# KiCad board sl_v4.kicad_pcb (continued)
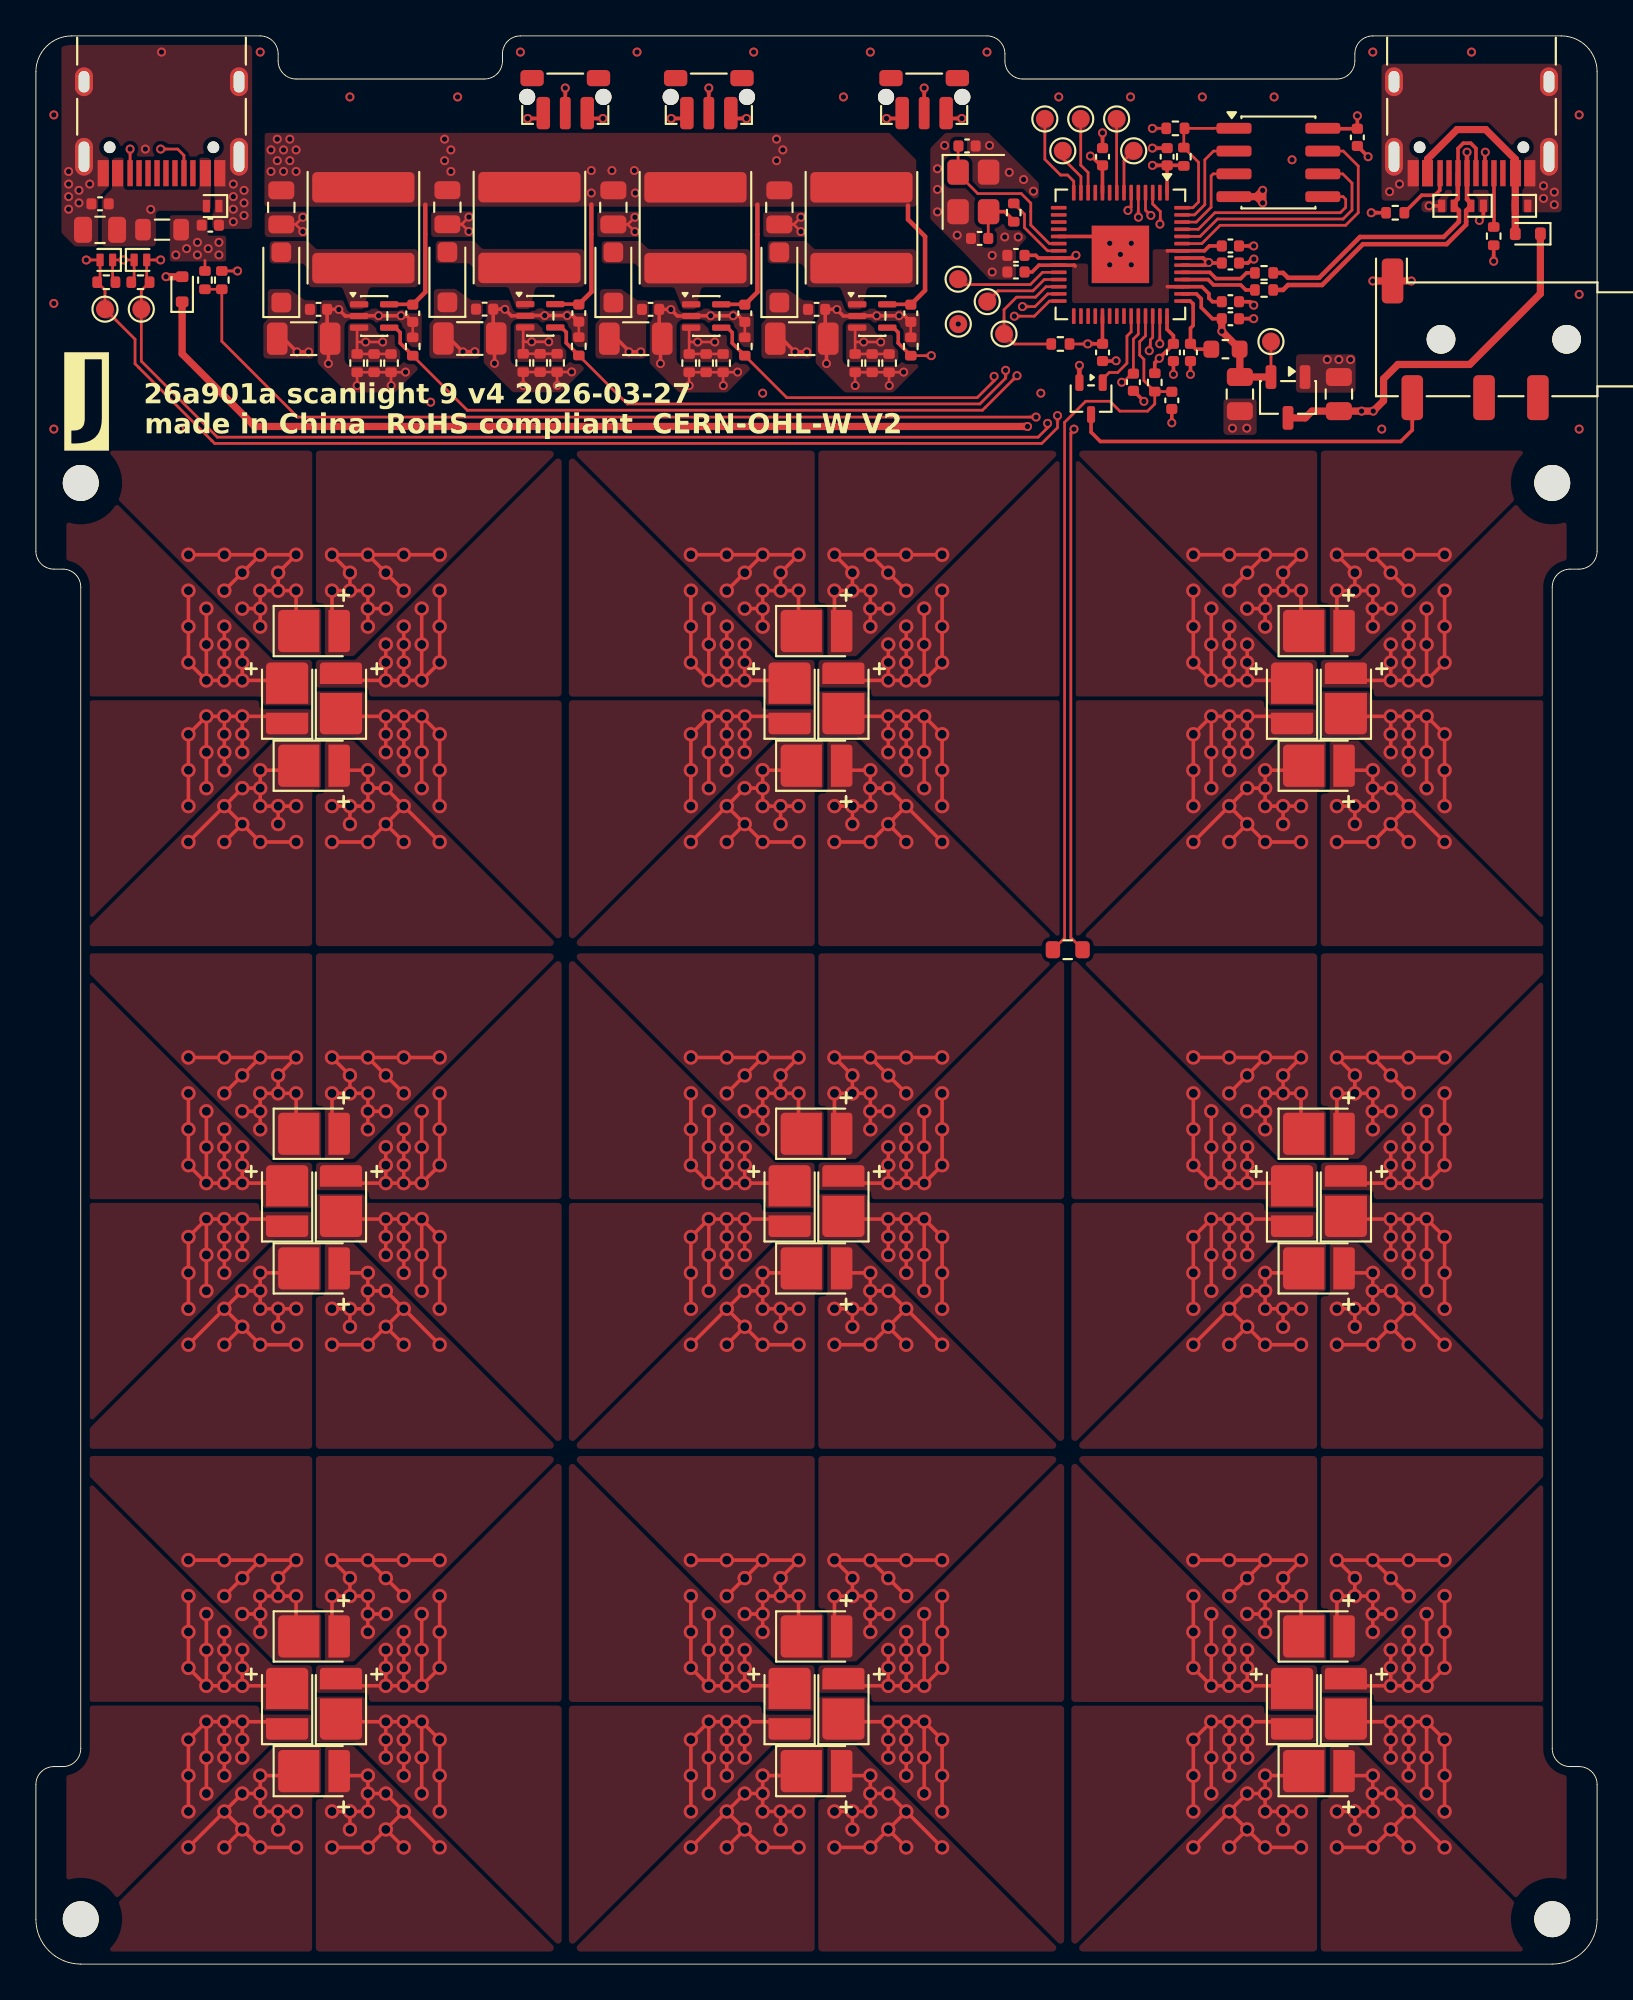
[diagram p0: board, top side]
## Nets
+1V1: C101.1 C102.1 C109.1 U102.23 U102.45 U102.50
+3V3: C103.1 C104.1 C105.1 C106.1 C107.1 C108.1 C110.1 C112.1 C204.1 FB101.1 R104.2 R105.1 R109.1 TP101.1 U101.8 U102.1 U102.10 U102.22 U102.33 U102.42 U102.44 U102.48 U102.49 U201.2
+5V: C205.1 C301.1 C302.1 C401.1 C402.1 C501.1 C502.1 C601.1 C602.1 FB201.2 L301.1 L401.1 L501.1 L601.1 R107.2 U301.5 U401.5 U501.5 U601.5
/VBUS_SENSE: C115.1 R107.1 R108.1 U102.38
GND: C101.2 C102.2 C103.2 C104.2 C105.2 C106.2 C107.2 C108.2 C109.2 C110.2 C111.2 C112.2 C113.1 C114.1 C115.2 C116.2 C201.2 C202.2 C203.2 C204.2 C205.2 C301.2 C302.2 C303.2 C304.2 C401.2 C402.2 C403.2 C404.2 C501.2 C502.2 C503.2 C504.2 C601.2 C602.2 C603.2 C604.2 D201.1 D202.1 D203.1 D206.1 D207.1 D208.1 J101.S J201.A1 J201.A12 J201.B1 J201.B12 J201.S1 J202.A1 J202.A12 J202.B1 J202.B12 J202.S1 Q101.2 R108.2 R203.1 R204.2 R205.1 R206.2 R301.2 R302.2 R303.2 R304.2 R401.2 R402.2 R403.2 R404.2 R501.2 R502.2 R503.2 R504.2 R601.2 R602.2 R603.2 R604.2 SW101.1 SW102.1 SW103.1 TH101.2 TP103.1 U101.4 U102.19 U102.57 U201.1 U301.2 U401.2 U501.2 U601.2 Y101.2 Y101.4
VDDA: C111.1 FB101.2 U102.43
/B1: R501.1 U102.6 U501.4
/B1+: C503.1 C504.1 D501.1 D803.2
/B1-: D1603.1 R502.1 R503.1 R504.1 U501.3
/BUTTON_1: SW102.2 U102.28
/BUTTON_2: SW103.2 U102.27
/CC1: D203.2 J201.A5 R204.1 TP201.1 U102.40
/CC2: D202.2 J201.B5 R203.2 TP202.1 U102.41
/G1: R401.1 U102.5 U401.4
/G1+: C403.1 C404.1 D401.1 D802.2
/G1-: D1602.1 R402.1 R403.1 R404.1 U401.3
/LED array/LED Cluster 0/B-: D803.1 D903.2
/LED array/LED Cluster 0/G-: D802.1 D902.2
/LED array/LED Cluster 0/R-: D801.2 D901.1
/LED array/LED Cluster 0/W-: D804.1 D904.2
/LED array/LED Cluster 1/B-: D903.1 D1003.2
/LED array/LED Cluster 1/G-: D902.1 D1002.2
/LED array/LED Cluster 1/R-: D901.2 D1001.1
/LED array/LED Cluster 1/W-: D904.1 D1004.2
/LED array/LED Cluster 2/B-: D1003.1 D1103.2
/LED array/LED Cluster 2/G-: D1002.1 D1102.2
/LED array/LED Cluster 2/R-: D1001.2 D1101.1
/LED array/LED Cluster 2/W-: D1004.1 D1104.2
/LED array/LED Cluster 3/B-: D1103.1 D1203.2
/LED array/LED Cluster 3/G-: D1102.1 D1202.2
/LED array/LED Cluster 3/R-: D1101.2 D1201.1
/LED array/LED Cluster 3/W-: D1104.1 D1204.2
/LED array/LED Cluster 4/B-: D1203.1 D1303.2
/LED array/LED Cluster 4/G-: D1202.1 D1302.2
/LED array/LED Cluster 4/R-: D1201.2 D1301.1
/LED array/LED Cluster 4/W-: D1204.1 D1304.2
/LED array/LED Cluster 5/B-: D1303.1 D1403.2
/LED array/LED Cluster 5/G-: D1302.1 D1402.2
/LED array/LED Cluster 5/R-: D1301.2 D1401.1
/LED array/LED Cluster 5/W-: D1304.1 D1404.2
/LED array/LED Cluster 6/B-: D1403.1 D1503.2
/LED array/LED Cluster 6/G-: D1402.1 D1502.2
/LED array/LED Cluster 6/R-: D1401.2 D1501.1
/LED array/LED Cluster 6/W-: D1404.1 D1504.2
/LED array/LED Cluster 7/B-: D1503.1 D1603.2
/LED array/LED Cluster 7/G-: D1502.1 D1602.2
/LED array/LED Cluster 7/R-: D1501.2 D1601.1
/LED array/LED Cluster 7/W-: D1504.1 D1604.2
/QSPI_SS: R103.2 R105.2 U101.1 U102.56
/R1: R301.1 U102.4 U301.4
/R1+: C303.1 C304.1 D301.1 D801.1
/R1-: D1601.2 R302.1 R303.1 R304.1 U301.3
/SHUTTER: Q101.1 U102.37
/TH: C116.1 R109.2 TH101.1 U102.39
/usb ports/USB_N: D207.2 J202.A7 J202.B7 R101.2
/usb ports/USB_P: D206.2 J202.A6 J202.B6 R102.1
/USB_X_N: R101.1 U102.46
/USB_X_P: R102.2 U102.47
/W1: R601.1 U102.3 U601.4
/W1+: C603.1 C604.1 D601.1 D804.2
/W1-: D1604.1 R602.1 R603.1 R604.1 U601.3
Net-(C114-Pad2): C114.2 R106.1 Y101.3
Net-(D201-A2): C201.1 C202.1 D201.2 D204.2 FB201.1 J201.A4 J201.A9 J201.B4 J201.B9
Net-(D204-K): C203.1 D204.1 D205.1 U201.3
Net-(D205-A): D205.2 D208.2 J202.A4 J202.A9 J202.B4 J202.B9
Net-(D301-A): D301.2 L301.2 U301.1
Net-(D401-A): D401.2 L401.2 U401.1
Net-(D501-A): D501.2 L501.2 U501.1
Net-(D601-A): D601.2 L601.2 U601.1
Net-(J202-CC1): J202.A5 R206.1
Net-(J202-CC2): J202.B5 R205.2
Net-(Q101-D): J101.T Q101.3
Net-(R103-Pad1): R103.1 SW101.2
Net-(U101-CLK): U101.6 U102.52
Net-(U101-DI/IO_{0}): U101.5 U102.53
Net-(U101-DO/IO_{1}): U101.2 U102.55
Net-(U101-~{HOLD}/~{RESET}/IO_{3}): U101.7 U102.51
Net-(U101-~{WP}/IO_{2}): U101.3 U102.54
Net-(U102-GPIO5): TP106.1 U102.7
Net-(U102-GPIO6): TP107.1 U102.8
Net-(U102-GPIO9): TP108.1 U102.12
Net-(U102-GPIO10): TP109.1 U102.13
Net-(U102-GPIO11): TP110.1 U102.14
Net-(U102-RUN): R104.1 TP102.1 U102.26
Net-(U102-SWCLK): TP104.1 U102.24
Net-(U102-SWD): TP105.1 U102.25
Net-(U102-XIN): C113.2 U102.20 Y101.1
Net-(U102-XOUT): R106.2 U102.21

Pads without a net: J101 R1 R2; J201 A6 A7 A8 B6 B7 B8; J202 A8 B8; SW101 MP; SW102 MP; SW103 MP; U102 2 9 11 15 16 17 18 29 30 31 32 34 35 36

## Via types
v1: diameter 0.5, hole 0.3, Top to Bottom, 223 vias
v2: diameter 0.8, hole 0.5, Top to Bottom, 936 vias

## Routing (per net, layer and track width the routed paths; a pad name or vN(x,y) marks a point on that pad's centre or on a via; arc(x,y) is an arc through that point)
+1V1: length 9.7
  Top w0.15: 63.06,93.43 63.04,93.44 ; 63.05,95.43 63.04,95.42
  Top w0.2: 66.09,92.59 65.57,92.59 65.37,92.8 65.37,93.04 64.98,93.43 U102.45 63.06,93.43 ; C102.1 55.52,94.25 55.9,94.63 U102.23 57.86,94.63 57.92,94.58 ; C101.1 65.39,95.7 65.12,95.43 U102.50 63.05,95.43
+3V3: length 73.7
  Top w0.15: U201.2 TP101.1 ; R104.2 58.61,90.24 v1(58.61,90.25)
  Top w0.2: 66.89,90.14 66.89,89.94 ; 65.39,94.75 65.29,94.75 ; 65.39,94.75 66.09,94.75 ; 65.39,94.75 v1(65.36,94.78) 65.33,94.75 65.29,94.75 ; 65.29,94.75 65.17,94.63 U102.48 ; v1(57.96,95.18) 57.81,95.03 U102.22 55.87,95.03 55.72,95.18 55.1,95.18 C104.1 ; C110.1 65.57,91.64 64.94,92.27 64.94,92.76 64.67,93.03 U102.44 ; v1(58.76,100.71) 58.82,100.71 59.33,100.19 C106.1 59.44,100.18 U102.10 ; v1(73.64,102.95) C112.1 ; C112.1 71.74,102.23 U101.8 ; C112.1 73.65,102.22 ; U102.42 63.04,91.06 63.39,90.7 C105.1 63.39,90.23 v1(62.6,89.44) 62.35,89.19 62.35,88.67 ; U102.1 63.04,100.19 C108.1 ; C108.1 v1(62.22,100.19) 62.22,100.19 ; C108.1 63.94,100.19 R105.1 ; 65.29,94.78 65.04,95.03 U102.49 ; v1(58.61,90.25) 58.62,90.25 C103.1 59.44,90.25 U102.33
  Top w0.4: C110.1 v1(66.09,90.95) 66.89,90.14 ; FB101.1 67.09,89.94 C204.1 U201.2
  In2.Cu w0.4: 64.58,90.35 63.67,89.44 v1(62.6,89.44)
  In2.Cu w0.6: 59.8,91.42 57.96,93.26 v1(57.96,95.18) ; 59.8,91.42 63.5,91.42 64.58,90.35 65.49,90.35 v1(66.09,90.95) ; 59.8,91.42 v1(58.61,90.25) ; 65.36,98.11 63.28,100.19 v1(62.22,100.19) 59.28,100.19 v1(58.76,100.71)
  In2.Cu w0.8: v1(73.64,102.95) 70.2,102.95 65.36,98.11 v1(65.36,94.78) 66.09,94.06 v1(66.09,90.95)
+5V: length 29.2
  Top w0.15: R107.2 9.42,94.9
  Top w0.2: C302.1 20.98,92.45 19.8,92.45 ; 38.3,92.45 39.48,92.45 C502.1 ; 47.55,92.45 48.73,92.45 C602.1 ; 29.05,92.46 30.23,92.46 C402.1
  Top w0.25: 21.7,98 21.7,93.13 C302.1 ; C402.1 30.95,93.14 30.95,98.01 ; C602.1 49.55,93.23 49.55,96.22 48.6,97.17 48.6,97.95 ; 39.51,92.43 40.21,93.13 40.21,98
  vias: v1(7.8,95.2) v1(8.4,95.55) v1(9,95.9) v1(9,95.2) v1(9.6,95.55) v1(10.2,95.9) v1(10.2,95.2) v1(13.1,101.05) v1(13.1,99.85) v1(13.45,101.65) v1(13.45,100.45) v1(13.8,101.05) v1(13.8,99.85) v1(14.15,101.65) v1(14.15,100.45) v1(14.5,101.05) v1(14.5,99.85) v1(22.77,101.65) v1(22.77,100.45) v1(23.12,101.05) v1(23.12,99.85) v1(30.95,99.9) v1(30.95,98.65) v1(32.1,99.9) v1(33.35,99.9) v1(33.4,98.65) v1(41.28,101.65) v1(41.28,100.45) v1(41.62,101.05)
/VBUS_SENSE: length 60.8
  Top w0.15: v1(60.51,88.11) 60.51,88.11 60.59,88.11 61.07,88.59 C115.1 61.16,90.52 61.44,90.79 U102.38 ; v1(55.74,86.17) 55.74,86.17 55.74,86.15 55.72,86.17 14.58,86.17 10.36,90.39 R108.1 R107.1
  In2.Cu w0.15: v1(55.74,86.17) 56.34,86.78 59.35,86.78 60.51,87.93 v1(60.51,88.11)
GND: length 124.3
  Top w0.15: v1(29.05,87.94) 29.04,87.95 R403.2 ; v1(57.85,85.5) 57.85,85.45 57.67,85.27 57.67,57.18 58.33,56.53 TH101.2 ; 19.79,88.67 19.79,87.94 v1(19.8,87.92) ; 19.79,88.67 17.9,88.67 v1(17.9,87.92) ; 19.79,88.67 20.59,88.67 v1(20.6,88.67) ; v1(11.24,94.31) R108.2 ; D202.1 4.27,93.84 R203.1 ; D202.1 5.48,94.92 ; D202.1 4.33,94.87 ; 5.48,94.92 5.48,93.84 R204.2 ; 5.48,94.92 5.4,94.85 ; R401.2 C402.2 ; 38.29,88.67 39.09,88.67 v1(39.1,88.67) ; 38.29,88.67 38.29,87.94 v1(38.3,87.92) ; 38.29,88.67 36.4,88.67 v1(36.4,87.92) ; 23.73,96.91 v1(24.13,97.31) ; 23.73,96.91 v1(24.13,96.51) ; 23.73,96.91 C401.2 ; v1(27.15,87.94) R402.2 R404.2 R403.2 ; 47.54,88.67 48.34,88.67 v1(48.35,88.67) ; 47.54,88.67 47.54,87.94 v1(47.55,87.92) ; 47.54,88.67 45.65,88.67 v1(45.65,87.92) ; v1(29.85,88.69) 29.84,88.68 R403.2 ; R301.2 C302.2 ; C501.2 32.98,96.9 ; 32.98,96.9 v1(33.38,97.3) ; 32.98,96.9 v1(33.38,96.5) ; R601.2 C602.2 ; 14.48,96.9 v1(14.88,97.3) ; 14.48,96.9 v1(14.87,96.5) ; 14.48,96.9 C301.2 ; R501.2 C502.2 ; C601.2 42.23,96.9 ; 42.23,96.9 v1(42.63,97.3) ; 42.23,96.9 v1(42.63,96.5)
  Top w0.2: v1(63.39,88.55) C105.2 ; v1(67.87,94.97) 67.76,94.97 67.54,94.75 C107.2 ; v1(47.4,102.8) 47.98,102.8 SW103.1 ; v1(44.06,89.15) 44.06,90.44 C604.2 43.98,90.71 C603.2 44.63,92.17 v1(44.63,92.16) 45,91.8 45.65,91.8 45.67,91.81 v1(46.85,91.81) v1(48.11,91.81) 48.41,91.81 C602.2 ; v1(16.3,89.15) 16.3,90.44 C304.2 16.23,90.71 C303.2 16.87,92.17 v1(16.88,92.16) 17.24,91.8 17.9,91.8 17.91,91.81 v1(19.1,91.81) v1(20.35,91.81) 20.66,91.81 C302.2 ; C103.2 60.18,89.29 v1(60.19,89.31) ; C110.2 67.05,91.65 v1(67.87,91.65) ; C115.2 61.17,87.63 61.74,87.06 v1(61.74,87.04) ; v1(25.55,89.16) 25.55,90.45 C404.2 25.48,90.72 C403.2 26.13,92.18 v1(26.13,92.17) 26.5,91.81 27.15,91.81 27.17,91.82 v1(28.35,91.82) v1(29.61,91.82) 29.91,91.83 C402.2 ; v1(60.44,95.23) 59.44,96.23 U102.19 ; 75.24,97.67 75.12,97.55 v1(74.41,97.55) ; SW101.1 27.98,102.8 v1(27.4,102.8) ; v1(77.64,97.93) D206.1 ; SW103.1 51.02,102.8 v1(51.6,102.8) ; v1(34.81,89.15) 34.81,90.44 C504.2 34.73,90.71 C503.2 35.38,92.17 v1(35.38,92.16) 35.75,91.8 36.4,91.8 36.42,91.81 v1(37.6,91.81) v1(38.86,91.81) 39.16,91.81 C502.2 ; v1(62.22,101.15) C108.2 ; SW102.1 35.97,102.8 v1(35.4,102.8) ; 54.06,95.1 C104.2 ; v1(31.6,102.8) 31.03,102.8 SW101.1 ; SW102.1 39.03,102.8 v1(39.6,102.8) ; v1(63.3,85.85) C116.2 ; D207.1 80.66,97.35 v1(80.44,97.12) ; v1(64.34,88.55) C111.2 ; C109.2 67.67,92.59 v1(67.87,92.4) ; 54.04,94.15 C102.2 ; C106.2 v1(59.44,102) ; v1(74.24,100.67) C112.2 ; C101.2 v1(67.87,95.7) ; v1(81.24,94.85) R206.2
  Top w0.25: v1(58.15,89.05) Q101.2
  Top w0.4: U101.4 68.01,98.44 ; 68.01,98.44 68.02,98.44 v1(68.37,98.1) v1(68.37,98.8) 68.01,98.44 ; v1(76.65,93.75) J101.S v1(74.5,93.75)
  vias: v1(1,103) v1(1,92.5) v1(1,85.5) v1(1.83,99.85) v1(1.83,99.15) v1(1.83,98.45) v1(1.83,97.75) v1(2.4,98.8) v1(2.4,98.1) v1(3,99.15) v1(4.87,94.92) v1(6.1,101.1) v1(7,106.5) v1(8,85.5) v1(11,99.15) v1(11,98.45) v1(11,97.75) v1(11,97.05) v1(11.6,98.8) v1(11.6,98.1) v1(11.6,97.4) v1(12.5,106.5) v1(17.5,104) v1(22,87) v1(23.5,104) v1(27,106.5) v1(33.5,106.5) v1(40,106.5) v1(40.5,87.5) v1(45,104) v1(46.5,106.5) v1(50.24,100) v1(50.24,98.85) v1(50.24,97.6) v1(50.64,101.3) v1(51.34,96.3) v1(51.4,91.35) v1(53,106.5) v1(53.14,101.3) v1(53.29,95.17) v1(53.29,94.25) v1(53.99,96.2) v1(54.24,99.8) v1(54.74,96.2) v1(55.04,99.4) v1(55.59,98.75) v1(56,87.5) v1(57,104) v1(59.84,95.85) v1(59.84,94.65) v1(61,104) v1(61.04,95.85) v1(61.04,94.65) v1(65,104) v1(66.68,85.55) v1(67.48,85.55) v1(69,104) v1(70,100.5) v1(71.96,89.37) v1(72.61,89.37) v1(73.26,89.37) v1(74.5,106.5) v1(75,85.5) v1(75.44,98.72) v1(75.99,99.15) v1(80,106.5) v1(84.01,99.05) v1(84.01,98.35) v1(84.61,98.7) v1(84.61,98) v1(86,103) v1(86,93) v1(86,85.5)
VDDA: length 4.3
  Top w0.2: U102.43 64.33,92.63 64.49,92.47 64.49,91.27 64.34,91.12 C111.1 64.64,89.95 FB101.2
/B1: length 33
  Top w0.15: v1(53.4,88.44) 53.4,88.42 53.42,88.4 53.42,88.21 52.46,87.25 41.84,87.25 R501.1 ; v1(60.85,97.68) 61.04,97.86 U102.6
  Top w0.2: 39.5,89.57 R501.1 38.81,90.29 38.81,90.88 38.53,91.15 38.3,91.15
  In2.Cu w0.15: v1(53.4,88.44) 53.51,88.55 53.51,88.56 53.51,88.99 53.82,89.3 54.07,89.3 56.1,91.33 56.1,95.89 57.69,97.48 60.65,97.48 v1(60.85,97.68)
/B1+: length 76.2
  Top w0.2: C504.1 32.02,90.6 32.3,90.6 33,89.9 33,89.85 v1(33.05,89.8) v1(33.7,89.8) ; v2(75.5,71.5) v2(75.5,72.5) v2(75.5,73.5) ; v2(75.5,71.5) v2(76.5,71.5) ; v2(75.5,71.5) 73.4,71.5 D803.2 ; v2(76.5,71.5) v2(77.5,71.5) ; v2(76.5,71.5) v2(76.5,72.5) v2(76.5,73.5) v2(76.5,74.5) ; v2(77.5,71.5) v2(78.5,72.5) v2(78.5,74.5) v2(78.5,76.5) ; v2(77.5,71.5) v2(77.5,73.5) v2(77.5,75.5)
  In2.Cu w0.4: v1(33.05,89.8) v1(33.7,89.8) 34.1,89.4 34.1,84 35.2,82.9 73.5,82.9 77.5,78.9 77.5,77.5 v2(78.5,76.5)
/B1-: length 158.9
  Top w0.15: 36.4,90.35 R503.1 R504.1 R502.1 ; 36.4,90.35 v1(36.88,90.35) v1(37.83,90.35) ; 36.4,90.35 36.4,91.15
  Top w0.2: v2(22.5,8.5) v2(22.5,10.5) v2(22.5,12.5) v2(21.5,13.5) ; v2(19.5,13.5) v2(20.5,13.5) ; v2(19.5,13.5) 17.15,13.5 D1603.1 ; v2(19.5,13.5) v2(19.5,12.5) v2(19.5,11.5) ; v2(20.5,13.5) v2(20.5,12.5) v2(20.5,11.5) v2(20.5,10.5) ; v2(20.5,13.5) v2(21.5,13.5) ; v2(21.5,13.5) v2(21.5,11.5) v2(21.5,9.5)
  In2.Cu w0.4: v2(22.5,8.5) 21.5,7.5 21.5,6.1 20.95,5.55 7.95,5.55 4.25,9.25 4.25,80.15 11.5,87.4 11.5,90.65 14.45,93.6 32.8,93.6 36.05,90.35 v1(36.88,90.35) v1(37.83,90.35)
/BUTTON_1: length 30.8
  Top w0.15: U102.28 56.48,92.63 55.64,91.79 v1(54.53,91.79)
  Top w0.2: SW102.2 v1(37.5,104.5)
  In2.Cu w0.15: v1(37.5,104.5) 38.1,105.1 45.4,105.1 45.95,104.55 45.95,98.16 52.13,91.97 52.28,91.97 52.28,91.97 54.34,91.97 v1(54.53,91.79)
/BUTTON_2: length 24.8
  Top w0.15: U102.27 56.38,93.03 55.68,92.32 v1(54.97,92.32)
  Top w0.2: SW103.2 v1(49.5,104.5)
  In2.Cu w0.15: v1(49.5,104.5) 48.9,105.1 46.85,105.1 46.3,104.55 46.3,98.3 52.28,92.32 v1(54.97,92.32)
/CC1: length 79.3
  Top w0.15: U102.40 62.24,90.6 62.1,90.47 62.1,89.93 v1(62.04,89.86) ; v1(6.95,101.1) 7.9,101.1 8.25,100.75 J201.A5 ; v1(56.38,85.82) 56.38,85.66 56.42,85.62 55.85,85.05 10.11,85.05 5.88,89.28 TP201.1 5.88,93.22 6.32,93.67 6.35,93.67 6.17,93.84 D203.2 ; D203.2 6.12,94.92 6.1,94.94 ; D203.2 6.07,94.82 ; D203.2 6.23,94.87 ; D203.2 v1(6.95,94.92)
  In2.Cu w0.15: v1(62.04,89.86) 61.54,89.86 61.22,89.55 61.22,88.63 61.38,88.47 61.38,87.75 59.66,86.02 57.47,86.02 57.15,85.7 56.59,85.7 56.47,85.82 ; 56.47,85.82 56.58,85.72 ; 56.47,85.82 v1(56.38,85.82) 56.47,85.82 ; v1(6.95,101.1) 6.95,94.93 v1(6.95,94.92)
/CC2: length 80.8
  Top w0.15: v1(56.93,86.25) 56.93,85.58 56.05,84.7 9.96,84.7 9.81,84.85 5.52,89.14 5.52,90.51 TP202.1 3.85,93.25 3.43,93.67 3.4,93.67 R203.2 3.58,93.84 3.58,94.92 ; 3.58,94.92 3.52,94.87 ; 3.58,94.92 2.81,94.92 v1(2.81,94.92) ; 3.58,94.92 3.58,94.92 ; U102.41 62.63,91.79 v1(62.63,90.25) ; v1(5.25,101.1) J201.B5
  In2.Cu w0.15: v1(62.63,90.25) 62.49,90.39 61.57,90.39 60.87,89.7 60.87,88.49 61.03,88.33 61.03,87.89 59.54,86.4 57.08,86.4 56.97,86.29 56.97,86.21 v1(56.93,86.25) ; v1(5.25,101.1) 5.25,98.89 2.81,96.44 v1(2.81,94.92)
/G1: length 43.1
  Top w0.15: R401.1 32.95,86.9 52.6,86.9 54.03,88.33 54.03,88.77 v1(54.04,88.77) ; v1(61.44,97.3) 61.44,97.31 U102.5
  Top w0.2: 29.05,91.16 29.29,91.16 29.56,90.89 29.56,90.3 R401.1 30.25,89.58
  In2.Cu w0.15: v1(54.04,88.77) 56.45,91.18 56.45,95.74 57.83,97.13 61.13,97.13 61.3,97.3 v1(61.44,97.3)
/G1+: length 77.3
  Top w0.2: v2(74.5,78.5) v2(72.5,78.5) v2(73.5,77.5) v2(73.5,76.5) ; v2(74.5,78.5) v2(75.5,77.5) v2(76.5,76.5) ; v2(74.5,78.5) v2(76.5,78.5) v2(78.5,78.5) ; v1(24.45,89.81) 23.81,89.81 v1(23.8,89.8) 22.99,90.61 22.77,90.61 C404.1 ; v2(73.5,76.5) v2(74.5,76.5) v2(74.5,75.5) ; v2(73.5,76.5) v2(72.5,76.5) 72.5,74.65 D802.2 ; v2(74.5,75.5) v2(74.5,74.5) ; v2(74.5,75.5) v2(75.5,75.5)
  In2.Cu w0.4: v2(72.5,78.5) 68.9,82.1 26.8,82.1 24.85,84.05 24.85,89.41 v1(24.45,89.81) 23.81,89.81 v1(23.8,89.8)
/G1-: length 110.4
  Top w0.15: v1(28.58,90.36) v1(27.63,90.36) 27.15,90.36 ; 27.15,91.16 27.15,90.36 ; 27.15,90.36 27.15,89.69 29.04,89.69
  Top w0.2: v2(8.5,22.5) v2(10.5,22.5) v2(12.5,22.5) ; v2(13.5,20.5) v2(12.5,20.5) v2(12.5,19.5) ; v2(13.5,20.5) v2(14.5,20.5) 14.5,18.4 D1602.1 ; v2(13.5,20.5) v2(13.5,21.5) v2(14.5,22.5) v2(12.5,22.5) ; v2(11.5,19.5) v2(12.5,19.5) ; v2(12.5,19.5) v2(12.5,18.5) ; v2(12.5,22.5) v2(11.5,21.5) v2(10.5,20.5)
  In2.Cu w0.4: v2(8.5,22.5) 6.65,24.35 6.65,79.33 13.9,86.58 13.9,90.07 14.3,90.47 17.23,90.47 18,89.7 19.71,89.7 20.71,90.7 27.29,90.7 v1(27.63,90.36) v1(28.58,90.36)
/LED array/LED Cluster 0/B-: length 54.9
  Top w0.2: v2(75.5,43.5) 73.4,43.5 D903.2 ; v2(75.5,43.5) v2(75.5,44.5) v2(75.5,45.5) ; v2(75.5,43.5) v2(76.5,43.5) ; v2(76.5,69.5) v2(76.5,68.5) v2(76.5,67.5) v2(76.5,66.5) ; v2(76.5,69.5) v2(75.5,69.5) ; v2(76.5,69.5) v2(77.5,69.5) ; v2(75.5,69.5) v2(75.5,68.5) v2(75.5,67.5) ; v2(75.5,69.5) 73.15,69.5 D803.1 ; v2(76.5,43.5) v2(77.5,43.5) ; v2(76.5,43.5) v2(76.5,44.5) v2(76.5,45.5) v2(76.5,46.5) ; v2(77.5,43.5) v2(78.5,44.5) v2(78.5,46.5) v2(78.5,48.5) ; v2(77.5,43.5) v2(77.5,45.5) v2(77.5,47.5) ; v2(78.5,64.5) v2(78.5,66.5) v2(78.5,68.5) v2(77.5,69.5) ; v2(77.5,69.5) v2(77.5,67.5) v2(77.5,65.5)
  In2.Cu w0.4: v2(78.5,64.5) 77.5,63.5 77.5,49.5 v2(78.5,48.5)
/LED array/LED Cluster 0/G-: length 62.9
  Top w0.2: D802.1 70.5,74.4 v2(70.5,76.5) v2(69.5,76.5) ; v2(67.5,75.5) v2(68.5,75.5) ; v2(68.5,75.5) v2(68.5,74.5) ; v2(68.5,75.5) v2(68.5,76.5) v2(69.5,76.5) ; v2(73.5,48.5) v2(72.5,48.5) 72.5,46.65 D902.2 ; v2(73.5,48.5) v2(74.5,48.5) v2(74.5,47.5) ; v2(73.5,48.5) v2(73.5,49.5) v2(72.5,50.5) v2(74.5,50.5) ; v2(74.5,47.5) v2(74.5,46.5) ; v2(74.5,47.5) v2(75.5,47.5) ; v2(74.5,50.5) v2(75.5,49.5) v2(76.5,48.5) ; v2(74.5,50.5) v2(76.5,50.5) v2(78.5,50.5) ; v2(68.5,78.5) v2(67.5,77.5) v2(66.5,76.5) ; v2(68.5,78.5) v2(66.5,78.5) v2(64.5,78.5) ; v2(68.5,78.5) v2(70.5,78.5) v2(69.5,77.5) v2(69.5,76.5)
  In2.Cu w0.4: v2(72.5,50.5) 72.5,60.1 71.5,61.1 71.5,71.5 v2(68.5,74.5)
/LED array/LED Cluster 0/R-: length 54.9
  Top w0.2: D801.2 69.6,69.5 v2(67.5,69.5) ; v2(67.5,45.5) v2(67.5,44.5) v2(67.5,43.5) ; v2(66.5,66.5) v2(66.5,67.5) v2(66.5,68.5) v2(66.5,69.5) ; v2(65.5,65.5) v2(65.5,67.5) v2(65.5,69.5) ; v2(64.5,64.5) v2(64.5,66.5) v2(64.5,68.5) v2(65.5,69.5) ; v2(65.5,47.5) v2(65.5,45.5) v2(65.5,43.5) ; v2(67.5,43.5) 69.85,43.5 D901.1 ; v2(67.5,43.5) v2(66.5,43.5) ; v2(65.5,43.5) v2(66.5,43.5) ; v2(65.5,43.5) v2(64.5,44.5) v2(64.5,46.5) v2(64.5,48.5) ; v2(66.5,69.5) v2(67.5,69.5) ; v2(66.5,69.5) v2(65.5,69.5) ; v2(66.5,43.5) v2(66.5,44.5) v2(66.5,45.5) v2(66.5,46.5) ; v2(67.5,69.5) v2(67.5,68.5) v2(67.5,67.5)
  In2.Cu w0.4: v2(64.5,48.5) 65.5,49.5 65.5,63.5 v2(64.5,64.5)
/LED array/LED Cluster 0/W-: length 62.6
  Top w0.2: v2(69.5,64.5) v2(69.5,63.5) ; v2(69.5,64.5) v2(70.5,64.5) ; v2(69.5,64.5) v2(68.5,64.5) v2(68.5,65.5) ; v2(74.5,37.5) v2(74.5,36.5) v2(73.5,36.5) ; v2(74.5,37.5) v2(74.5,38.5) 73.15,38.5 D904.2 ; v2(74.5,37.5) v2(75.5,37.5) v2(76.5,36.5) ; v2(72.5,34.5) v2(74.5,34.5) v2(75.5,35.5) ; v2(68.5,65.5) v2(68.5,66.5) 70.4,66.5 D804.1 ; v2(68.5,65.5) v2(67.5,65.5) v2(66.5,64.5) ; v2(67.5,63.5) v2(68.5,62.5) v2(70.5,62.5) ; v2(67.5,63.5) v2(66.5,64.5) ; v2(67.5,63.5) v2(66.5,62.5) ; v2(76.5,36.5) v2(78.5,34.5) ; v2(76.5,36.5) v2(75.5,35.5) ; v2(73.5,36.5) v2(73.5,35.5) ; v2(73.5,36.5) v2(72.5,36.5) ; v2(66.5,64.5) v2(64.5,62.5) ; v2(76.5,34.5) v2(75.5,35.5)
  In2.Cu w0.4: v2(70.5,62.5) 70.5,60.65 71.5,59.65 71.5,48 74.5,45 v2(74.5,38.5)
/LED array/LED Cluster 1/B-: length 54.9
  Top w0.2: v2(77.5,37.5) v2(77.5,39.5) v2(77.5,41.5) ; v2(78.5,20.5) v2(78.5,18.5) v2(78.5,16.5) v2(77.5,15.5) ; v2(76.5,38.5) v2(76.5,39.5) v2(76.5,40.5) v2(76.5,41.5) ; v2(77.5,41.5) v2(78.5,40.5) v2(78.5,38.5) v2(78.5,36.5) ; v2(77.5,41.5) v2(76.5,41.5) ; v2(76.5,18.5) v2(76.5,17.5) v2(76.5,16.5) v2(76.5,15.5) ; v2(75.5,15.5) v2(75.5,16.5) v2(75.5,17.5) ; v2(75.5,15.5) 73.4,15.5 D1003.2 ; v2(75.5,15.5) v2(76.5,15.5) ; v2(75.5,39.5) v2(75.5,40.5) v2(75.5,41.5) ; v2(75.5,41.5) v2(76.5,41.5) ; v2(75.5,41.5) 73.15,41.5 D903.1 ; v2(76.5,15.5) v2(77.5,15.5) ; v2(77.5,15.5) v2(77.5,17.5) v2(77.5,19.5)
  In2.Cu w0.4: v2(78.5,36.5) 77.5,35.5 77.5,21.5 v2(78.5,20.5)
/LED array/LED Cluster 1/G-: length 62.9
  Top w0.2: v2(68.5,50.5) v2(66.5,50.5) v2(64.5,50.5) ; v2(68.5,50.5) v2(70.5,50.5) v2(69.5,49.5) v2(69.5,48.5) ; v2(68.5,50.5) v2(67.5,49.5) v2(66.5,48.5) ; v2(73.5,20.5) v2(72.5,20.5) 72.5,18.65 D1002.2 ; v2(73.5,20.5) v2(74.5,20.5) v2(74.5,19.5) ; v2(73.5,20.5) v2(73.5,21.5) v2(72.5,22.5) v2(74.5,22.5) ; v2(68.5,47.5) v2(68.5,46.5) ; v2(68.5,47.5) v2(67.5,47.5) ; v2(68.5,47.5) v2(68.5,48.5) v2(69.5,48.5) ; v2(74.5,19.5) v2(75.5,19.5) ; v2(74.5,19.5) v2(74.5,18.5) ; v2(69.5,48.5) v2(70.5,48.5) 70.5,46.4 D902.1 ; v2(76.5,20.5) v2(75.5,21.5) v2(74.5,22.5) ; v2(74.5,22.5) v2(76.5,22.5) v2(78.5,22.5)
  In2.Cu w0.4: v2(72.5,22.5) 72.5,32.1 71.5,33.1 71.5,43.5 v2(68.5,46.5)
/LED array/LED Cluster 1/R-: length 54.9
  Top w0.2: v2(67.5,15.5) v2(66.5,15.5) ; v2(67.5,15.5) v2(67.5,16.5) v2(67.5,17.5) ; v2(67.5,15.5) 69.85,15.5 D1001.1 ; v2(66.5,15.5) v2(65.5,15.5) ; v2(66.5,15.5) v2(66.5,16.5) v2(66.5,17.5) v2(66.5,18.5) ; v2(64.5,36.5) v2(64.5,38.5) v2(64.5,40.5) v2(65.5,41.5) ; v2(66.5,41.5) v2(66.5,40.5) v2(66.5,39.5) v2(66.5,38.5) ; v2(66.5,41.5) v2(65.5,41.5) ; v2(66.5,41.5) v2(67.5,41.5) ; v2(65.5,15.5) v2(64.5,16.5) v2(64.5,18.5) v2(64.5,20.5) ; v2(65.5,15.5) v2(65.5,17.5) v2(65.5,19.5) ; v2(67.5,39.5) v2(67.5,40.5) v2(67.5,41.5) ; v2(65.5,37.5) v2(65.5,39.5) v2(65.5,41.5) ; v2(67.5,41.5) 69.6,41.5 D901.2
  In2.Cu w0.4: v2(64.5,36.5) 65.5,35.5 65.5,21.5 v2(64.5,20.5)
/LED array/LED Cluster 1/W-: length 62.6
  Top w0.2: v2(76.5,8.5) v2(78.5,6.5) ; v2(76.5,8.5) v2(75.5,7.5) ; v2(76.5,8.5) v2(75.5,9.5) v2(74.5,9.5) ; v2(68.5,37.5) v2(67.5,37.5) v2(66.5,36.5) ; v2(68.5,37.5) v2(68.5,36.5) v2(69.5,36.5) ; v2(68.5,37.5) v2(68.5,38.5) 70.4,38.5 D904.1 ; v2(66.5,36.5) v2(64.5,34.5) ; v2(66.5,36.5) v2(67.5,35.5) ; v2(67.5,35.5) v2(66.5,34.5) ; v2(67.5,35.5) v2(68.5,34.5) v2(70.5,34.5) ; v2(72.5,6.5) v2(74.5,6.5) v2(75.5,7.5) ; v2(73.5,7.5) v2(73.5,8.5) ; v2(73.5,8.5) v2(74.5,8.5) v2(74.5,9.5) ; v2(73.5,8.5) v2(72.5,8.5) ; v2(74.5,9.5) v2(74.5,10.5) 73.15,10.5 D1004.2 ; v2(69.5,36.5) v2(69.5,35.5) ; v2(69.5,36.5) v2(70.5,36.5) ; v2(75.5,7.5) v2(76.5,6.5)
  In2.Cu w0.4: v2(74.5,10.5) 74.5,17 71.5,20 71.5,31.65 70.5,32.65 v2(70.5,34.5)
/LED array/LED Cluster 2/B-: length 126.5
  Top w0.2: v2(47.5,71.5) v2(47.5,72.5) v2(47.5,73.5) ; v2(47.5,71.5) v2(48.5,71.5) ; v2(47.5,71.5) 45.4,71.5 D1103.2 ; v2(48.5,71.5) v2(48.5,72.5) v2(48.5,73.5) v2(48.5,74.5) ; v2(48.5,71.5) v2(49.5,71.5) ; v2(49.5,71.5) v2(50.5,72.5) v2(50.5,74.5) v2(50.5,76.5) ; v2(49.5,71.5) v2(49.5,73.5) v2(49.5,75.5) ; v2(76.5,10.5) v2(76.5,11.5) v2(76.5,12.5) v2(76.5,13.5) ; v2(75.5,13.5) v2(76.5,13.5) ; v2(75.5,13.5) 73.15,13.5 D1003.1 ; v2(75.5,13.5) v2(75.5,12.5) v2(75.5,11.5) ; v2(76.5,13.5) v2(77.5,13.5) ; v2(77.5,13.5) v2(78.5,12.5) v2(78.5,10.5) v2(78.5,8.5) ; v2(77.5,13.5) v2(77.5,11.5) v2(77.5,9.5)
  In2.Cu w0.4: v2(50.5,72.5) 57.1,65.9 57.1,14.45 64.05,7.5 64.95,7.5 65.5,6.95 65.5,6.05 66,5.55 76.9,5.55 77.5,6.15 77.5,7.5 v2(78.5,8.5)
/LED array/LED Cluster 2/G-: length 99.6
  Top w0.2: v2(45.5,76.5) v2(46.5,76.5) v2(46.5,75.5) ; v2(45.5,76.5) v2(44.5,76.5) 44.5,74.65 D1102.2 ; v2(45.5,76.5) v2(45.5,77.5) v2(44.5,78.5) v2(46.5,78.5) ; v2(69.5,20.5) v2(68.5,20.5) v2(68.5,19.5) ; v2(69.5,20.5) v2(70.5,20.5) 70.5,18.4 D1002.1 ; v2(69.5,20.5) v2(69.5,21.5) v2(70.5,22.5) v2(68.5,22.5) ; v2(68.5,22.5) v2(67.5,21.5) v2(66.5,20.5) ; v2(68.5,22.5) v2(66.5,22.5) v2(64.5,22.5) ; v2(46.5,75.5) v2(46.5,74.5) ; v2(46.5,75.5) v2(47.5,75.5) ; v2(46.5,78.5) v2(47.5,77.5) v2(48.5,76.5) ; v2(46.5,78.5) v2(48.5,78.5) v2(50.5,78.5) ; v2(68.5,19.5) v2(68.5,18.5) ; v2(68.5,19.5) v2(67.5,19.5)
  In2.Cu w0.4: v2(50.5,78.5) 51.55,78.5 58.7,71.35 58.7,28.3 v2(64.5,22.5)
/LED array/LED Cluster 2/R-: length 126.7
  Top w0.2: D1101.1 41.85,71.5 v2(39.5,71.5) ; v2(66.5,13.5) v2(65.5,13.5) ; v2(66.5,13.5) v2(66.5,12.5) v2(66.5,11.5) v2(66.5,10.5) ; v2(66.5,13.5) v2(67.5,13.5) ; v2(65.5,13.5) v2(64.5,12.5) v2(64.5,10.5) v2(64.5,8.5) ; v2(65.5,13.5) v2(65.5,11.5) v2(65.5,9.5) ; v2(67.5,11.5) v2(67.5,12.5) v2(67.5,13.5) ; v2(37.5,71.5) v2(36.5,72.5) v2(36.5,74.5) v2(36.5,76.5) ; v2(37.5,71.5) v2(37.5,73.5) v2(37.5,75.5) ; v2(37.5,71.5) v2(38.5,71.5) ; v2(39.5,71.5) v2(38.5,71.5) ; v2(39.5,71.5) v2(39.5,72.5) v2(39.5,73.5) ; v2(38.5,71.5) v2(38.5,72.5) v2(38.5,73.5) v2(38.5,74.5) ; v2(67.5,13.5) 69.6,13.5 D1001.2
  In2.Cu w0.4: v2(36.5,76.5) 37.5,77.5 37.5,78.95 38.05,79.5 49.1,79.5 49.5,79.1 49.5,78 50,77.5 51,77.5 57.9,70.6 57.9,19.1 v2(64.5,12.5)
/LED array/LED Cluster 2/W-: length 99.3
  Top w0.2: v2(48.5,64.5) v2(50.5,62.5) ; v2(48.5,64.5) v2(47.5,63.5) ; v2(48.5,64.5) v2(47.5,65.5) v2(46.5,65.5) ; D1004.1 70.4,10.5 v2(68.5,10.5) v2(68.5,9.5) ; D1104.2 45.15,66.5 v2(46.5,66.5) v2(46.5,65.5) ; v2(69.5,8.5) v2(70.5,8.5) ; v2(69.5,8.5) v2(68.5,8.5) v2(68.5,9.5) ; v2(69.5,8.5) v2(69.5,7.5) ; v2(44.5,64.5) v2(45.5,64.5) ; v2(45.5,64.5) v2(45.5,63.5) ; v2(45.5,64.5) v2(46.5,64.5) v2(46.5,65.5) ; v2(70.5,6.5) v2(68.5,6.5) v2(67.5,7.5) ; v2(66.5,8.5) v2(67.5,9.5) v2(68.5,9.5) ; v2(66.5,8.5) v2(64.5,6.5) ; v2(66.5,8.5) v2(67.5,7.5) ; v2(47.5,63.5) v2(48.5,62.5) ; v2(47.5,63.5) v2(46.5,62.5) v2(44.5,62.5) ; v2(67.5,7.5) v2(66.5,6.5)
  In2.Cu w0.4: v2(50.5,62.5) 56.3,56.7 56.3,13.7 63.5,6.5 v2(64.5,6.5)
/LED array/LED Cluster 3/B-: length 54.9
  Top w0.2: v2(49.5,43.5) v2(49.5,45.5) v2(49.5,47.5) ; v2(49.5,43.5) v2(48.5,43.5) ; v2(49.5,43.5) v2(50.5,44.5) v2(50.5,46.5) v2(50.5,48.5) ; D1103.1 45.15,69.5 v2(47.5,69.5) ; v2(47.5,69.5) v2(48.5,69.5) ; v2(47.5,69.5) v2(47.5,68.5) v2(47.5,67.5) ; v2(48.5,69.5) v2(48.5,68.5) v2(48.5,67.5) v2(48.5,66.5) ; v2(48.5,69.5) v2(49.5,69.5) ; D1203.2 45.4,43.5 v2(47.5,43.5) ; v2(49.5,65.5) v2(49.5,67.5) v2(49.5,69.5) ; v2(50.5,64.5) v2(50.5,66.5) v2(50.5,68.5) v2(49.5,69.5) ; v2(47.5,43.5) v2(47.5,44.5) v2(47.5,45.5) ; v2(47.5,43.5) v2(48.5,43.5) ; v2(48.5,43.5) v2(48.5,44.5) v2(48.5,45.5) v2(48.5,46.5)
  In2.Cu w0.4: v2(50.5,48.5) 49.5,49.5 49.5,63.5 v2(50.5,64.5)
/LED array/LED Cluster 3/G-: length 62.9
  Top w0.2: v2(38.5,76.5) v2(39.5,77.5) v2(40.5,78.5) ; v2(48.5,48.5) v2(47.5,49.5) v2(46.5,50.5) ; v2(41.5,76.5) v2(42.5,76.5) 42.5,74.4 D1102.1 ; v2(41.5,76.5) v2(41.5,77.5) v2(42.5,78.5) v2(40.5,78.5) ; v2(41.5,76.5) v2(40.5,76.5) v2(40.5,75.5) ; v2(50.5,50.5) v2(48.5,50.5) v2(46.5,50.5) ; v2(46.5,47.5) v2(47.5,47.5) ; v2(46.5,47.5) v2(46.5,48.5) v2(45.5,48.5) ; v2(46.5,47.5) v2(46.5,46.5) ; v2(39.5,75.5) v2(40.5,75.5) ; v2(40.5,75.5) v2(40.5,74.5) ; v2(46.5,50.5) v2(44.5,50.5) v2(45.5,49.5) v2(45.5,48.5) ; D1202.2 44.5,46.65 v2(44.5,48.5) v2(45.5,48.5) ; v2(36.5,78.5) v2(38.5,78.5) v2(40.5,78.5)
  In2.Cu w0.4: v2(44.5,50.5) 44.5,60.1 43.5,61.1 43.5,71.5 v2(40.5,74.5)
/LED array/LED Cluster 3/R-: length 54.9
  Top w0.2: v2(38.5,46.5) v2(38.5,45.5) v2(38.5,44.5) v2(38.5,43.5) ; v2(37.5,47.5) v2(37.5,45.5) v2(37.5,43.5) ; v2(38.5,69.5) v2(37.5,69.5) ; v2(38.5,69.5) v2(38.5,68.5) v2(38.5,67.5) v2(38.5,66.5) ; v2(38.5,69.5) v2(39.5,69.5) ; v2(37.5,69.5) v2(36.5,68.5) v2(36.5,66.5) v2(36.5,64.5) ; v2(37.5,69.5) v2(37.5,67.5) v2(37.5,65.5) ; v2(38.5,43.5) v2(39.5,43.5) ; v2(38.5,43.5) v2(37.5,43.5) ; v2(39.5,69.5) 41.6,69.5 D1101.2 ; v2(39.5,69.5) v2(39.5,68.5) v2(39.5,67.5) ; v2(37.5,43.5) v2(36.5,44.5) v2(36.5,46.5) v2(36.5,48.5) ; v2(39.5,43.5) v2(39.5,44.5) v2(39.5,45.5) ; v2(39.5,43.5) 41.85,43.5 D1201.1
  In2.Cu w0.4: v2(36.5,64.5) 37.5,63.5 37.5,49.5 v2(36.5,48.5)
/LED array/LED Cluster 3/W-: length 62.6
  Top w0.2: v2(45.5,36.5) v2(46.5,36.5) v2(46.5,37.5) ; v2(45.5,36.5) v2(44.5,36.5) ; v2(45.5,36.5) v2(45.5,35.5) ; v2(39.5,63.5) v2(38.5,62.5) ; v2(39.5,63.5) v2(40.5,62.5) v2(42.5,62.5) ; v2(39.5,63.5) v2(38.5,64.5) ; v2(40.5,65.5) v2(39.5,65.5) v2(38.5,64.5) ; v2(40.5,65.5) v2(40.5,64.5) v2(41.5,64.5) ; v2(40.5,65.5) v2(40.5,66.5) 42.4,66.5 D1104.1 ; D1204.2 45.15,38.5 v2(46.5,38.5) v2(46.5,37.5) ; v2(46.5,37.5) v2(47.5,37.5) v2(48.5,36.5) ; v2(48.5,36.5) v2(50.5,34.5) ; v2(48.5,36.5) v2(47.5,35.5) ; v2(41.5,64.5) v2(41.5,63.5) ; v2(41.5,64.5) v2(42.5,64.5) ; v2(44.5,34.5) v2(46.5,34.5) v2(47.5,35.5) ; v2(47.5,35.5) v2(48.5,34.5) ; v2(38.5,64.5) v2(36.5,62.5)
  In2.Cu w0.4: v2(46.5,38.5) 46.5,45 43.5,48 43.5,59.65 42.5,60.65 v2(42.5,62.5)
/LED array/LED Cluster 4/B-: length 54.9
  Top w0.2: v2(49.5,19.5) v2(49.5,17.5) v2(49.5,15.5) ; v2(50.5,36.5) v2(50.5,38.5) v2(50.5,40.5) v2(49.5,41.5) ; v2(47.5,17.5) v2(47.5,16.5) v2(47.5,15.5) ; v2(48.5,15.5) v2(48.5,16.5) v2(48.5,17.5) v2(48.5,18.5) ; v2(48.5,15.5) v2(49.5,15.5) ; v2(48.5,15.5) v2(47.5,15.5) ; v2(47.5,41.5) v2(47.5,40.5) v2(47.5,39.5) ; v2(47.5,41.5) 45.15,41.5 D1203.1 ; v2(47.5,41.5) v2(48.5,41.5) ; v2(50.5,20.5) v2(50.5,18.5) v2(50.5,16.5) v2(49.5,15.5) ; v2(48.5,38.5) v2(48.5,39.5) v2(48.5,40.5) v2(48.5,41.5) ; v2(49.5,41.5) v2(49.5,39.5) v2(49.5,37.5) ; v2(49.5,41.5) v2(48.5,41.5) ; v2(47.5,15.5) 45.4,15.5 D1303.2
  In2.Cu w0.4: v2(50.5,36.5) 49.5,35.5 49.5,21.5 v2(50.5,20.5)
/LED array/LED Cluster 4/G-: length 62.9
  Top w0.2: D1202.1 42.5,46.4 v2(42.5,48.5) v2(41.5,48.5) ; v2(46.5,19.5) v2(47.5,19.5) ; v2(46.5,19.5) v2(46.5,20.5) v2(45.5,20.5) ; v2(46.5,19.5) v2(46.5,18.5) ; v2(39.5,47.5) v2(40.5,47.5) ; v2(40.5,47.5) v2(40.5,46.5) ; v2(40.5,47.5) v2(40.5,48.5) v2(41.5,48.5) ; v2(46.5,22.5) v2(44.5,22.5) v2(45.5,21.5) v2(45.5,20.5) ; v2(46.5,22.5) v2(47.5,21.5) v2(48.5,20.5) ; v2(46.5,22.5) v2(48.5,22.5) v2(50.5,22.5) ; v2(40.5,50.5) v2(39.5,49.5) v2(38.5,48.5) ; v2(40.5,50.5) v2(38.5,50.5) v2(36.5,50.5) ; v2(40.5,50.5) v2(42.5,50.5) v2(41.5,49.5) v2(41.5,48.5) ; v2(45.5,20.5) v2(44.5,20.5) 44.5,18.65 D1302.2
  In2.Cu w0.4: v2(44.5,22.5) 44.5,32.1 43.5,33.1 43.5,43.5 v2(40.5,46.5)
/LED array/LED Cluster 4/R-: length 54.9
  Top w0.2: v2(38.5,38.5) v2(38.5,39.5) v2(38.5,40.5) v2(38.5,41.5) ; v2(37.5,15.5) v2(37.5,17.5) v2(37.5,19.5) ; v2(37.5,15.5) v2(38.5,15.5) ; v2(37.5,15.5) v2(36.5,16.5) v2(36.5,18.5) v2(36.5,20.5) ; v2(38.5,15.5) v2(38.5,16.5) v2(38.5,17.5) v2(38.5,18.5) ; v2(38.5,15.5) v2(39.5,15.5) ; v2(39.5,41.5) 41.6,41.5 D1201.2 ; v2(39.5,41.5) v2(38.5,41.5) ; v2(39.5,41.5) v2(39.5,40.5) v2(39.5,39.5) ; v2(38.5,41.5) v2(37.5,41.5) ; v2(39.5,17.5) v2(39.5,16.5) v2(39.5,15.5) ; v2(39.5,15.5) 41.85,15.5 D1301.1 ; v2(37.5,37.5) v2(37.5,39.5) v2(37.5,41.5) ; v2(37.5,41.5) v2(36.5,40.5) v2(36.5,38.5) v2(36.5,36.5)
  In2.Cu w0.4: v2(36.5,20.5) 37.5,21.5 37.5,35.5 v2(36.5,36.5)
/LED array/LED Cluster 4/W-: length 62.6
  Top w0.2: v2(39.5,35.5) v2(38.5,34.5) ; v2(39.5,35.5) v2(40.5,34.5) v2(42.5,34.5) ; v2(39.5,35.5) v2(38.5,36.5) ; v2(41.5,36.5) v2(41.5,35.5) ; v2(41.5,36.5) v2(40.5,36.5) v2(40.5,37.5) ; v2(41.5,36.5) v2(42.5,36.5) ; v2(48.5,8.5) v2(47.5,9.5) v2(46.5,9.5) ; v2(48.5,8.5) v2(47.5,7.5) ; v2(48.5,8.5) v2(50.5,6.5) ; v2(45.5,7.5) v2(45.5,8.5) ; v2(45.5,8.5) v2(44.5,8.5) ; v2(45.5,8.5) v2(46.5,8.5) v2(46.5,9.5) ; v2(46.5,9.5) v2(46.5,10.5) 45.15,10.5 D1304.2 ; v2(38.5,36.5) v2(36.5,34.5) ; v2(38.5,36.5) v2(39.5,37.5) v2(40.5,37.5) ; v2(40.5,37.5) v2(40.5,38.5) 42.4,38.5 D1204.1 ; v2(47.5,7.5) v2(46.5,6.5) v2(44.5,6.5) ; v2(47.5,7.5) v2(48.5,6.5)
  In2.Cu w0.4: v2(42.5,34.5) 42.5,32.65 43.5,31.65 43.5,20 46.5,17 v2(46.5,10.5)
/LED array/LED Cluster 5/B-: length 126.5
  Top w0.2: v2(19.5,71.5) 17.4,71.5 D1403.2 ; v2(19.5,71.5) v2(20.5,71.5) ; v2(19.5,71.5) v2(19.5,72.5) v2(19.5,73.5) ; v2(48.5,13.5) v2(49.5,13.5) ; v2(48.5,13.5) v2(48.5,12.5) v2(48.5,11.5) v2(48.5,10.5) ; v2(48.5,13.5) v2(47.5,13.5) ; v2(49.5,13.5) v2(49.5,11.5) v2(49.5,9.5) ; v2(49.5,13.5) v2(50.5,12.5) v2(50.5,10.5) v2(50.5,8.5) ; v2(47.5,13.5) v2(47.5,12.5) v2(47.5,11.5) ; v2(47.5,13.5) 45.15,13.5 D1303.1 ; v2(21.5,75.5) v2(21.5,73.5) v2(21.5,71.5) ; v2(20.5,71.5) v2(20.5,72.5) v2(20.5,73.5) v2(20.5,74.5) ; v2(20.5,71.5) v2(21.5,71.5) ; v2(21.5,71.5) v2(22.5,72.5) v2(22.5,74.5) v2(22.5,76.5)
  In2.Cu w0.4: v2(22.5,72.5) 29.1,65.9 29.1,14.45 36.05,7.5 36.95,7.5 37.5,6.95 37.5,6.05 38,5.55 49,5.55 49.5,6.05 49.5,7.5 v2(50.5,8.5)
/LED array/LED Cluster 5/G-: length 99.6
  Top w0.2: v2(18.5,75.5) v2(18.5,74.5) ; v2(18.5,75.5) v2(18.5,76.5) v2(17.5,76.5) ; v2(18.5,75.5) v2(19.5,75.5) ; v2(20.5,76.5) v2(19.5,77.5) v2(18.5,78.5) ; v2(40.5,22.5) v2(38.5,22.5) v2(36.5,22.5) ; v2(40.5,22.5) v2(39.5,21.5) v2(38.5,20.5) ; v2(40.5,22.5) v2(42.5,22.5) v2(41.5,21.5) v2(41.5,20.5) ; v2(40.5,19.5) v2(40.5,20.5) v2(41.5,20.5) ; v2(40.5,19.5) v2(40.5,18.5) ; v2(40.5,19.5) v2(39.5,19.5) ; v2(17.5,76.5) v2(16.5,76.5) 16.5,74.65 D1402.2 ; v2(17.5,76.5) v2(17.5,77.5) v2(16.5,78.5) v2(18.5,78.5) ; D1302.1 42.5,18.4 v2(42.5,20.5) v2(41.5,20.5) ; v2(18.5,78.5) v2(20.5,78.5) v2(22.5,78.5)
  In2.Cu w0.4: v2(22.5,78.5) 23.55,78.5 30.7,71.35 30.7,28.3 v2(36.5,22.5)
